# Altium PCB CT310高端控制盒基板电路V1.0.PcbDoc (part 3 of 8)
Units mil, origin at the board's own origin, x right, y up, seen from the top; angles counter-clockwise.
Board outline 8162.61 x 6196.81 mil, 2 copper layers (Top Layer, Bottom Layer), stack 65.792 mil thick; 265 components, 178 nets, 926 pads, 298 vias.
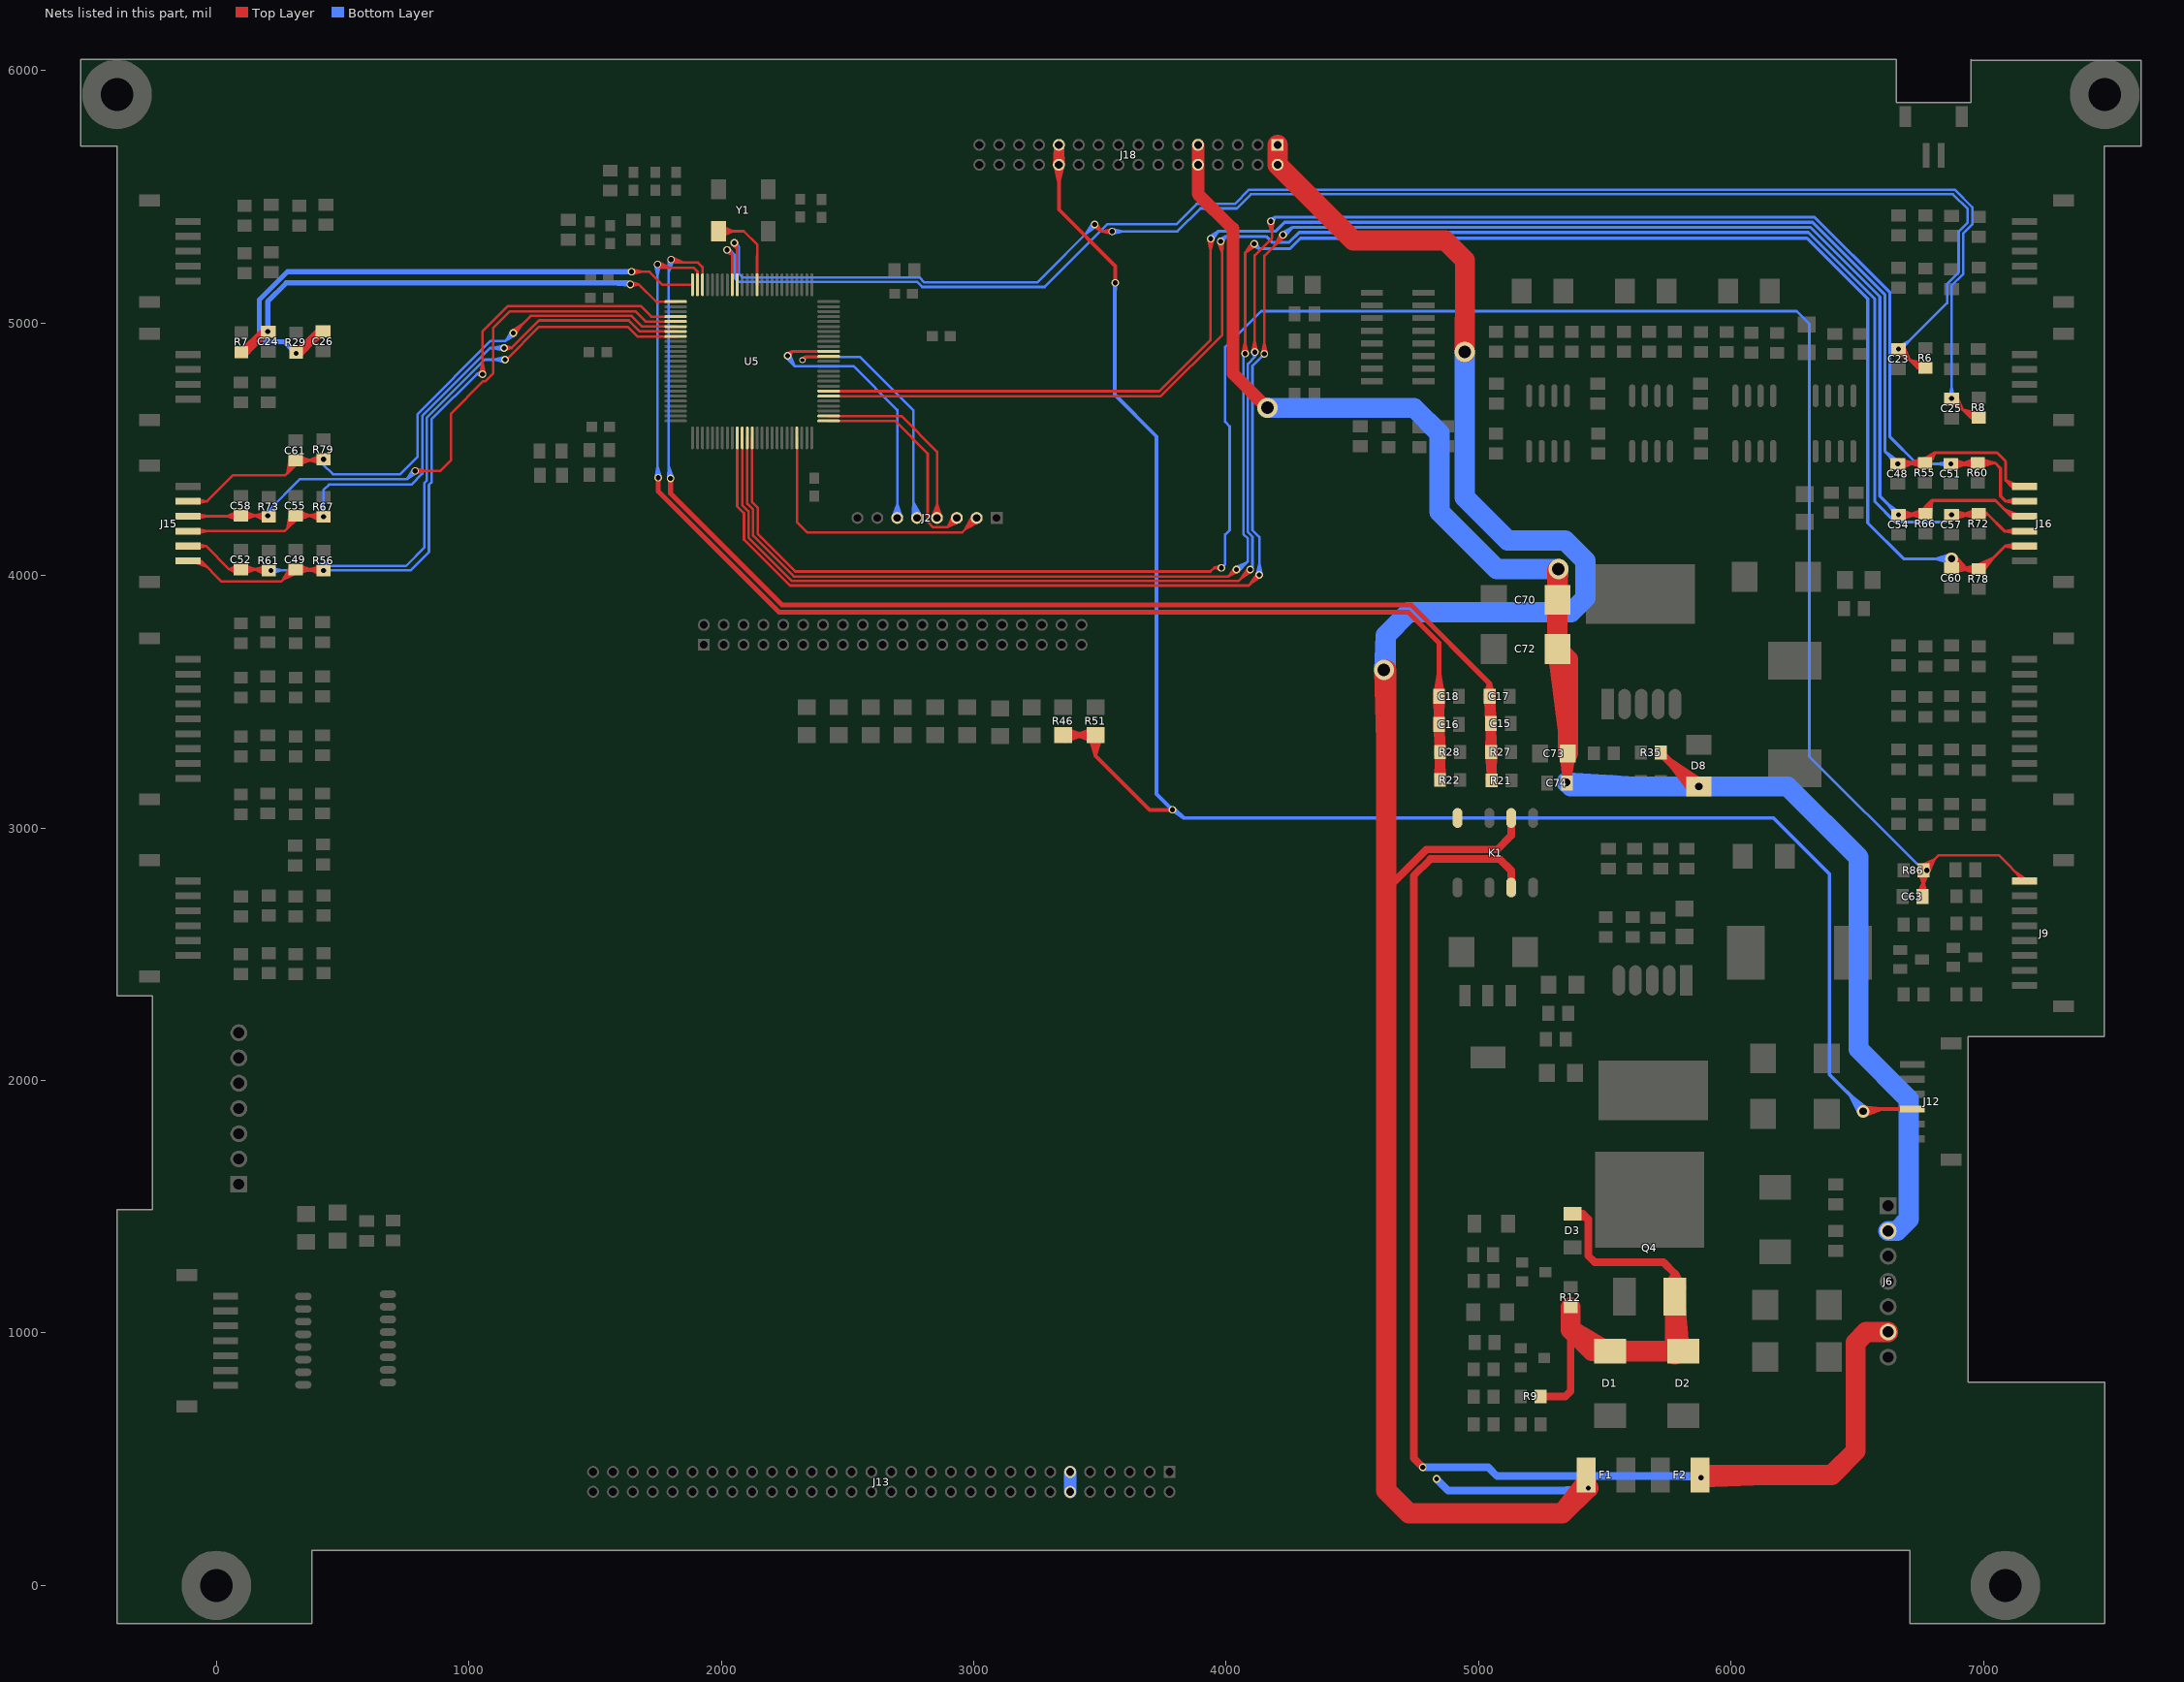
[diagram p3: the nets of this part, all layers, seen from the top]

## Via types
v1: diameter 30, hole 20, Top Layer to Bottom Layer, tented both sides, 226 vias
v2: diameter 60, hole 30, Top Layer to Bottom Layer, tented both sides, 32 vias
v3: diameter 50, hole 30, Top Layer to Bottom Layer, tented both sides, 20 vias
v4: diameter 80, hole 50, Top Layer to Bottom Layer, tented both sides, 10 vias
v5: diameter 50, hole 28, Top Layer to Bottom Layer, tented both sides, 8 vias
v6: diameter 30, hole 16, Top Layer to Bottom Layer, tented both sides, 1 vias
v7: diameter 24, hole 16, Top Layer to Bottom Layer, tented both sides, 1 vias

## Nets (pads, with @x,y where several pads share a name; then routed paths per layer and width w, separated by ;. In a path a pad name is that pad's centre, name@x,y a point inside that pad or via, vN(x,y) a via of type N, cw(c..) or ccw(c..) an arc to the next point about the centre after c; other vN are vias at no path point) (continued)
+7.2V_S: C70.1 C72.1 C73.1 C74.2 D8.2 J6.2 J18.9 J18.10 R35.1 | length 12030.7
  Top Layer w30: R35.1@5721.67,3294.36 5808.93,3211.03 ; R35.1@5721.67,3298.3 5855.34,3164.62 v3(5872.3,3164.62) ; 5768.56,3248 v3(5872.3,3164.62) ; 5775.01,3244.95 v3(5872.3,3164.62) ; 5776.87,3249.68 v3(5872.3,3164.62) ; 5777.49,3243.81 v3(5872.3,3164.62) ; D8.2@5862.45,3164.62 5757.78,3262.18 ; D8.2@5877.49,3183.8 5757.78,3262.18 ; v3(5348.3,3181.3) C73.1@5349.67,3291.55 ; v3(5348.3,3181.3) C73.1@5349.67,3291.55 ; v3(5348.3,3181.3) 5336.93,3290.68 C74.2@5349.67,3181.3 ; v3(5348.3,3181.3) C73.1@5353.41,3291.36 ; v3(5348.3,3181.3) 5336.93,3290.67 C74.2@5349.67,3184.2 ; v3(5348.3,3181.3) C73.1@5353.41,3291.36 ; v3(5348.3,3181.3) 5369.81,3289.56 C74.2@5349.67,3181.3 ; v3(5348.3,3181.3) 5369.81,3289.52 C74.2@5349.67,3184.2 ; C74.2@5349.67,3181.3 C73.1@5349.67,3291.55 ; C74.2@5349.67,3181.3 C73.1@5353.41,3291.36 ; C74.2@5349.67,3184.2 C73.1@5349.67,3291.55 ; C74.2@5349.67,3184.2 C73.1@5353.41,3291.36 ; 5757.78,3262.18 5844.38,3148.27 v3(5872.3,3164.62)
  Top Layer w50: J18.10@3888.4,5626.93 J18.9@3888.4,5705.67 J18.10@3888.4,5626.93 ; J18.10@3888.4,5626.93 3888.4,5510.6 4023,5376 4027,5376 4027,4800 ; 4027,4800 v4(4163,4664) 4027,4800
  Top Layer w80: C72.1@5311.98,3701.13 5353.41,3387.92 ; C73.1@5353.41,3295.3 5353.41,3667.57 C72.1@5311.98,3709 ; C73.1@5353.41,3299.23 5353.41,3570.73 ; C72.1@5311.98,3709 C70.1@5311.98,3903.3 ; C72.1@5311.98,3709 5311.98,3895.42 5311.98,3716.87 C70.1@5311.98,3903.3 ; C70.1@5311.98,3903.3 v4@5311.98,4021.98 ; C70.1@5311.98,3903.3 v4(5316,4026) ; v4@5311.98,4021.98 v4(5316,4026) ; v4@5311.98,4021.98 5311.98,3911.17 v4(5316,4026)
  Bottom Layer w80: v4(4163,4664) 4744,4664 4845,4563 4845,4252 5071,4026 ; 5607.3,3164.62 v3(5872.3,3164.62) ; 5622.9,3164.62 v3(5348.3,3181.3) 5364.97,3164.62 v3(5872.3,3164.62) ; 5071,4026 v4(5316,4026) 5071,4026 ; v3(5872.3,3164.62) 6223.41,3164.62 6505,2883.02 6505,2124.02 6703.46,1925.56 6703.46,1450.65 6656.81,1404 ; 6656.81,1404 J6.2@6622,1404 6656.81,1404
BAT1+: F1.1 J18.1 J18.2 K1.6 | length 10438.7
  Top Layer w30: 4634,2755.74 4793.26,2915 5074,2915 5128.99,2969.99 ; K1.6@5128.99,3020.11 5128.99,2969.99 ; K1.6@5128.99,3039.8 5128.99,2969.99
  Top Layer w80: v4(4625,3626) 4634,3345.09 ; v4@4634,3626 4634,2755.74 4634,375.55 4724.55,285 5331,285 ; 4946,5165.01 v4(4945,4885) 4946,4884 4946,5248 4867,5327 4503.29,5327 J18.2@4203.37,5626.93 ; F1.1@5426.55,380.55 5331,285 ; J18.2@4203.37,5626.93 J18.1@4203.37,5705.67 J18.2@4203.37,5626.93 ; 5331,285 5426.55,405.8 v1(5434,385) ; 5331,285 v1(5434,385) ; 5331,285 v1(5434,385)
  Bottom Layer w30: v1(4833,422) 4879,376 5425,376 v1(5434,385) 5324.38,376
  Bottom Layer w80: v4(4945,4885) 4945,4309 5115,4139 5342,4139 5423,4058 5423,3911 5366,3854 4723,3854 4632,3763 ; 4632,3763 4632,3633 v4(4625,3626) 4632,3763
BAT1_ADC: C15.1 C17.1 R21.2 R27.2 U5.23 | length 9670.8
  Top Layer w10: v1@1799.63,5241.09 1849.07,5239.3 ; v1@1804.34,5260.43 1849.07,5239.3 ; U5.23@1925.45,5151.44 1925.45,5222.14 ; U5.23@1925.45,5190.69 1925.45,5222.14 ; v1(1801,5251) 1805,5251 1816.7,5239.3 ; v1(1801,5251) 1816.7,5239.3 ; v1(1801,5251) 1849.07,5239.3 ; v1(1801,5251) 1816.7,5239.3 ; 1816.7,5239.3 1908.3,5239.3 1925.45,5222.14 ; 1816.7,5239.3 1808.82,5257.23 1816.7,5239.3 ; 1816.7,5239.3 1797.27,5241.72 1816.7,5239.3
  Top Layer w20: C17.1@5029.87,3529.26 5043.33,3572.26 ; C17.1@5029.92,3513.03 C15.1@5051.33,3430.57 ; C15.1@5034.72,3419.68 C17.1@5044.48,3503.28 ; C15.1@5034.79,3417.75 C17.1@5032.51,3503.05 ; C15.1@5034.81,3405.8 R27.2@5051.33,3323.65 ; C15.1@5034.81,3420.79 C17.1@5051.33,3502.9 ; C15.1@5034.92,3421.56 C17.1@5056.1,3502.68 ; R27.2@5035.72,3296.66 R21.2@5040.64,3210.85 ; R27.2@5035.73,3303.53 C15.1@5038.09,3389.49 ; R27.2@5035.75,3305.28 C15.1@5049.02,3388.38 ; R27.2@5035.79,3305.66 C15.1@5051.33,3387.91 ; R27.2@5035.99,3306.97 C15.1@5059.49,3387.52 ; R27.2@5036.06,3293.28 R21.2@5061.68,3212.99 ; R21.2@5037.76,3193.34 R27.2@5051.33,3275.85 ; C17.1@5043.33,3515.39 C15.1@5051.33,3430.57 ; C17.1@5043.33,3527.2 5043.33,3572.26 ; C15.1@5048.33,3407.39 R27.2@5051.33,3323.65 ; R21.2@5051.33,3188.3 5051.33,3513.3 C17.1@5043.33,3521.3 5043.33,3572.26 ; R21.2@5051.33,3192.23 R27.2@5051.33,3275.85 ; C17.1@5056.8,3529.26 5043.33,3572.26 ; C17.1@5056.96,3515.58 C15.1@5051.33,3430.57 ; C15.1@5061.48,3422.79 C17.1@5032.51,3503.05 ; C15.1@5061.85,3420.92 C17.1@5044.48,3503.28 ; C15.1@5061.94,3406.77 R27.2@5051.33,3323.65 ; C15.1@5061.94,3419.82 C17.1@5051.33,3502.9 ; C15.1@5061.96,3419.04 C17.1@5056.1,3502.68 ; R27.2@5062.66,3307.08 C15.1@5038.09,3389.49 ; R27.2@5062.73,3293.91 R21.2@5040.64,3210.85 ; R27.2@5062.93,3297.26 R21.2@5061.68,3212.99 ; R27.2@5062.95,3303.69 C15.1@5059.49,3387.52 ; R27.2@5062.93,3305.02 C15.1@5051.33,3387.91 ; R27.2@5062.91,3305.39 C15.1@5049.02,3388.38 ; R21.2@5064.91,3193.34 R27.2@5051.33,3275.85 ; 1799,4324.46 2240.46,3883 4732.6,3883 5043.33,3572.26 ; 1799,4324.46 v1(1799,4385) 1799,4324.46 ; C17.1@5032.51,3503.05 C15.1@5048.33,3419.2 ; C15.1@5038.09,3389.49 R27.2@5049.33,3304.23 ; R21.2@5040.64,3210.85 R27.2@5049.33,3296.36 ; C17.1@5044.48,3503.28 C15.1@5048.33,3419.2 ; C15.1@5048.33,3419.2 C17.1@5056.1,3502.68 ; C15.1@5048.33,3419.2 C17.1@5051.33,3502.9 ; C15.1@5049.02,3388.38 R27.2@5049.33,3304.23 ; R27.2@5049.33,3296.36 R21.2@5061.68,3212.99 ; R27.2@5049.33,3296.36 R21.2@5051.33,3212.4 ; R27.2@5049.33,3296.36 R21.2@5051.33,3212.7 ; R27.2@5049.33,3304.23 C15.1@5051.33,3387.91 ; R27.2@5049.33,3304.23 C15.1@5059.49,3387.52 ; R21.2@5051.33,3212.4 5062.93,3295.58 R21.2@5051.33,3212.7 ; R21.2@5051.33,3212.4 5035.79,3294.93 R21.2@5051.33,3212.7
  Bottom Layer w10: v1@1789.01,4384.59 1792,4433.13 ; v1@1791.03,5251.8 1792,5201.31 ; v1(1799,4385) 1792,4433.13 ; v1@1801,4385 1792,4394 1792,5242 v1(1801,5251) 1792,5201.31 ; v1@1808.7,4387.45 1792,4433.13 ; v1@1810.61,5248.25 1792,5201.31
BAT2+: F2.1 J6.6 K1.3 | length 6151.2
  Top Layer w30: v1(4779,468) 4742.63,504.37 4742.63,2810.63 4809,2877 5083,2877 5128.99,2831.01 ; K1.3@5128.99,2764.2 5128.99,2831.01 ; K1.3@5128.99,2783.89 5128.99,2831.01
  Top Layer w80: F2.1@5877.03,437.3 6154.44,437.3 ; F2.1@5881,437.3 6398.3,437.3 6493,532 6493,962 6535,1004 J6.6@6622,1004 ; 6138.35,437.3 v1(5881,427) 6139.03,437.3
  Bottom Layer w30: v1(4779,468) 5038,468 5073,433 5875,433 v1(5881,427) 5774.24,433
BAT2_ADC: C16.1 C18.1 R22.2 R28.2 U5.24 | length 9443.5
  Top Layer w10: v1@1745.28,5222.15 1796.39,5218.3 ; v1@1746,5232 v1(1747,5232) 1796.39,5218.3 ; v1@1746.5,5231.5 1759.7,5218.3 1891.3,5218.3 1905.76,5203.83 ; v1@1750.6,5241.33 1796.39,5218.3 ; U5.24@1905.76,5151.44 1905.76,5203.83 ; U5.24@1905.76,5190.69 1905.76,5203.83
  Top Layer w20: v1(1750,4387) 1750,4333.86 2228.86,3855 4721,3855 4843.33,3732.67 C18.1@4843.33,3521.3 4847.27,3517.36 R28.2@4847.27,3301.28 R22.2@4847.27,3190.3 ; C16.1@4829.71,3404.51 R28.2@4835.83,3319.31 ; C18.1@4829.73,3516.04 C16.1@4832.43,3430.21 ; C18.1@4829.77,3514.18 C16.1@4844.03,3430.95 ; C18.1@4829.76,3528.31 4843.33,3610.82 ; C16.1@4829.82,3417.95 C18.1@4847.27,3499.97 ; C18.1@4829.82,3513.65 C16.1@4847.27,3431.54 ; C18.1@4830.05,3512.39 C16.1@4855.14,3432.22 ; C16.1@4830.17,3400.89 R28.2@4858.33,3321.62 ; R22.2@4833.66,3193.62 R28.2@4836.65,3278.29 ; R28.2@4833.69,3296.24 R22.2@4847.27,3213.73 ; R28.2@4833.69,3306.33 C16.1@4847.27,3388.84 ; R22.2@4833.94,3197.02 R28.2@4857.9,3278.29 ; C16.1@4843.33,3416.21 C18.1@4847.27,3499.97 ; C18.1@4843.33,3527.2 4843.33,3610.82 ; R28.2@4847.27,3297.35 R22.2@4847.27,3213.73 ; R28.2@4847.27,3305.22 C16.1@4847.27,3388.84 ; C18.1@4856.67,3512.59 C16.1@4832.43,3430.21 ; C16.1@4856.77,3402.13 R28.2@4835.83,3319.31 ; C16.1@4856.89,3405.74 R28.2@4858.33,3321.62 ; C16.1@4856.95,3416.68 C18.1@4847.27,3499.97 ; C18.1@4856.92,3514.4 C16.1@4844.03,3430.95 ; C18.1@4856.95,3514.92 C16.1@4847.27,3431.54 ; C18.1@4856.93,3516.2 C16.1@4855.14,3432.22 ; C18.1@4856.91,3528.31 4843.33,3610.82 ; R22.2@4860.61,3197.02 R28.2@4836.65,3278.29 ; R28.2@4860.85,3296.24 R22.2@4847.27,3213.73 ; R28.2@4860.85,3306.33 C16.1@4847.27,3388.84 ; R22.2@4860.88,3193.62 R28.2@4857.9,3278.29 ; C16.1@4832.43,3430.21 C18.1@4843.33,3515.39 ; R28.2@4835.83,3319.31 C16.1@4843.33,3404.4 ; R28.2@4836.65,3278.29 R22.2@4847.27,3194.23 ; C16.1@4843.33,3404.4 R28.2@4858.33,3321.62 ; C16.1@4843.33,3404.4 R28.2@4847.27,3320.3 ; C16.1@4843.33,3404.4 R28.2@4847.27,3320.64 ; C18.1@4843.33,3515.39 C16.1@4855.14,3432.22 ; C18.1@4843.33,3515.39 C16.1@4844.03,3430.95 ; C18.1@4843.33,3515.39 C16.1@4847.27,3431.54 ; R22.2@4847.27,3194.23 R28.2@4847.27,3277.85 ; R22.2@4847.27,3194.23 R28.2@4857.9,3278.29 ; R22.2@4847.27,3194.23 R28.2@4847.27,3277.85 ; R28.2@4847.27,3277.85 4833.69,3195.34 R28.2@4847.27,3277.85 ; R28.2@4847.27,3277.85 4860.85,3195.34 R28.2@4847.27,3277.85 ; R28.2@4847.27,3320.3 4856.95,3403.93 R28.2@4847.27,3320.64 ; R28.2@4847.27,3320.3 4829.82,3402.66 R28.2@4847.27,3320.64
  Bottom Layer w10: v1@1737.06,5230.89 1747,5187 v1@1756.94,5230.89 ; v1@1740.01,4387.44 1747,4432.29 ; v1@1747,4387 v1(1747,5232) ; v1(1750,4387) 1747,4432.29 ; v1@1759.84,4388.76 1747,4432.29
BAT_IN: D1.2 D2.2 D3.2 Q4.3 R9.2 R12.1 | length 3830.8
  Top Layer w30: R9.2@5245.67,748.3 5343.3,748.3 5364.41,769.41 5364.41,1012.4 ; D3.2@5371.3,1472.22 5412.78,1472.22 ; Q4.3@5747.57,1180.53 5777.3,1235.3 ; Q4.3@5777.3,1143.65 5777.3,1235.3 ; Q4.3@5777.3,1172.98 5777.3,1235.3 ; Q4.3@5807.02,1180.53 5777.3,1235.3 ; D3.2@5379.17,1472.22 5434,1451 ; D3.2@5379.17,1472.22 5412.78,1472.22 ; D3.2@5379.17,1472.22 5412.78,1472.22 ; 5412.78,1472.22 5434,1451 ; 5434,1451 5434,1306 5459.7,1280.3 5732.3,1280.3 5777.3,1235.3
  Top Layer w80: D1.2@5520.29,928.25 5448.56,928.25 ; 5364.41,1012.4 R12.1@5364.41,1101.99 5364.41,1012.4 ; 5364.41,1012.4 5448.56,928.25 ; 5364.41,1012.4 D1.2@5506.51,928.25 ; 5448.56,928.25 D1.2@5506.51,928.25 ; 5448.56,928.25 D1.2@5506.51,928.25 ; D2.2@5796.52,928.25 5777.3,1114.32 5777.3,915.25 Q4.3@5777.3,1143.65 D2.2@5796.52,928.25 ; D2.2@5796.52,928.25 5552.29,927.25 5782.3,927.25 5534.07,928.25 D2.2@5796.52,928.25
CLOCK: U5.12 Y1.3 | length 608.9
  Top Layer w10: Y1.3@1988.87,5363.62 2088.98,5363.62 2143,5309.6 2143,5265.4 2141.98,5264.38 U5.12@2141.98,5151.44 ; Y1.3@1990.64,5349.2 2048.4,5363.62 ; Y1.3@1990.64,5378.04 2048.4,5363.62 ; Y1.3@1993.92,5339.62 2048.4,5363.62 ; Y1.3@1993.92,5387.62 2048.4,5363.62 ; U5.12@2141.98,5190.69 2141.98,5226.44
CVBS: J12.4 J18.23 J18.24 R46.2 R51.2 | length 10038.4
  Top Layer w15: J18.24@3321.16,5625.56 J18.23@3323.37,5694.78 ; J18.24@3321.21,5625.03 3337.22,5558.3 J18.24@3353.23,5625.03 ; J18.24@3321.21,5628.82 3337.22,5695.55 J18.24@3353.23,5628.82 ; J18.23@3321.21,5703.77 3337.22,5637.04 J18.23@3353.23,5703.77 ; J18.24@3321.91,5631.97 J18.23@3351.08,5694.78 ; J18.23@3337.22,5705.67 J18.24@3337.22,5626.93 ; J18.24@3352.54,5631.97 J18.23@3323.37,5694.78 ; J18.24@3353.29,5625.56 J18.23@3351.08,5694.78 ; R46.2@3354.92,3367.88 R51.2@3482,3367.88 3482,3285.88 3696.88,3071 3786,3071 v1(3787,3072) 3726.98,3071 ; R46.2@3358.86,3367.88 3435.35,3367.88 ; R46.2@3359.39,3358.9 3435.35,3367.88 ; R46.2@3359.39,3376.86 3435.35,3367.88 ; R46.2@3362.62,3344.18 3435.35,3367.88 ; R46.2@3362.62,3391.58 3435.35,3367.88 ; R51.2@3458.3,3364.12 3482,3291.39 ; R51.2@3473.02,3367.35 3482,3291.39 ; R51.2@3474.3,3344.18 3401.57,3367.88 ; R51.2@3474.3,3391.58 3401.57,3367.88 ; R51.2@3477.53,3358.9 3401.57,3367.88 ; R51.2@3477.53,3376.86 3401.57,3367.88 ; R51.2@3478.06,3367.88 3401.57,3367.88 ; R51.2@3490.98,3367.35 3482,3291.39 ; R51.2@3505.7,3364.12 3482,3291.39 ; v1(3561,5159) 3561,5219 ; v1@3561,5163.87 3561,5225.27 3337.22,5449.04 J18.24@3337.22,5626.93 ; v3@6523.07,1895.5 6594.57,1886.47 ; v3@6527.15,1861 6594.57,1886.47 ; 6623.02,1886.47 J12.4@6681.8,1886.47 ; J12.4@6717.23,1886.47 6531.47,1886.47 v3(6523,1878) 6594.57,1886.47 ; J18.23@3323.37,5694.78 J18.24@3337.22,5626.93 ; J18.24@3337.22,5626.93 J18.23@3351.08,5694.78
  Bottom Layer w15: 3558.5,5098.79 v1(3561,5159) ; v1@3560,5159 3558.5,5157.5 3558.5,4716.5 3724.5,4550.5 3724.5,3134.5 v1(3787,3072) ; 3740.18,3118.82 v1(3787,3072) ; v1@3788,3076 3795.94,3076 3832.44,3039.5 ; v3@6508.27,1868.55 6472.54,1940.46 ; v3@6535.33,1890.42 6472.54,1940.46 ; v1(3787,3072) 3832.44,3039.5 ; 3832.44,3039.5 6168.44,3039.5 6389.5,2818.44 6389.5,2023.5 6523,1890 v3(6523,1878) 6472.54,1940.46
DC33V: J13.11 J13.12 | length 78.7
  Bottom Layer w50: J13.12@3381.96,370.69 J13.11@3381.96,449.43
GND_P: K1.8
JNRST: J2.6 U5.90 | length 1580.4
  Top Layer w10: v1@2257.49,4878.34 2280.66,4887.66 ; v1(2263,4870) 2280.66,4887.66 ; v1@2271.34,4864.49 2280.66,4887.66 ; 2350.44,4887.66 U5.90@2386.19,4887.66 ; U5.90@2425.44,4887.66 2280.66,4887.66
  Bottom Layer w10: v1@2255.36,4863.55 2291.65,4828.35 ; v1@2271.76,4874.82 2291.65,4828.35 ; J2.6@2678.55,4231.23 2696.89,4281.62 ; J2.6@2688.3,4228.69 2696.89,4281.62 ; J2.6@2696.89,4228 2696.89,4656.11 2524,4829 2332.36,4829 2331.65,4828.3 2291.7,4828.3 2263,4857 v1(2263,4870) 2291.65,4828.35 ; J2.6@2705.48,4228.69 2696.89,4281.62 ; J2.6@2715.23,4231.23 2696.89,4281.62
JOYSTICK_LEFTX: C23.1 R6.1 U5.16 | length 8616.4
  Top Layer w10: v1@2043.75,5312.35 2063.24,5292.76 ; v1@2061.72,5320.35 2063.24,5292.76 ; U5.16@2063.24,5151.44 2063.24,5292.76 ; U5.16@2063.24,5190.69 2063.24,5226.44 ; v1@3472.92,5382.06 3506,5363 ; v1(3479,5390) 3506,5363 ; v1@3486.94,5396.08 3506,5363 ; v1@3546.81,5353.07 3506,5363 ; v1@3546.81,5372.93 3506,5363 ; C23.1@6656.59,4889.3 6700.26,4856.62 ; C23.1@6656.81,4889.11 6699.19,4859.58 ; C23.1@6656.95,4889 6699.51,4860.51 C23.1@6671.02,4903.07 ; C23.1@6657.07,4888.9 6700.37,4860.83 ; C23.1@6657.18,4888.82 6703.23,4859.55 ; C23.1@6657.23,4882.46 6708.13,4851.89 ; C23.1@6663.12,4890.62 6708.13,4851.89 ; C23.1@6669.2,4896.73 6708.13,4851.89 ; C23.1@6670.75,4903.39 6703.23,4859.55 ; C23.1@6670.92,4903.2 6700.37,4860.83 ; C23.1@6671.13,4902.95 6699.19,4859.58 ; C23.1@6671.24,4902.8 6700.26,4856.62 ; C23.1@6676.1,4901.89 6708.13,4851.89 ; C23.1@6685,4906.58 6708.13,4851.89 ; R6.1@6755.47,4806.8 6706.69,4853.33 ; R6.1@6761.84,4814.57 6706.69,4853.33 ; R6.1@6769.86,4829.79 6706.69,4853.33 ; R6.1@6770.28,4821.92 6738.1,4821.92 ; R6.1@6772.66,4839.44 6706.69,4853.33 ; 2063.24,5292.76 2052,5304 v1(2052,5318) 2063.24,5292.76 ; 3506,5363 v1(3548,5363) 3506,5363 ; v1(6663.3,4896.73) 6738.1,4821.92 ; v1(6663.3,4896.73) 6703.23,4859.55 ; v1(6663.3,4896.73) 6700.37,4860.83 ; v1(6663.3,4896.73) 6700.26,4856.62 ; v1(6663.3,4896.73) 6699.19,4859.58 ; 6706.69,4853.33 R6.1@6766.34,4821.92 ; 6738.1,4821.92 6760.2,4804.34 6738.1,4821.92 ; 6738.1,4821.92 6760.2,4839.5 6738.1,4821.92 ; 6738.1,4821.92 6765.02,4813.4 6738.1,4821.92 ; 6738.1,4821.92 6765.02,4830.45 6738.1,4821.92 ; 6738.1,4821.92 R6.1@6766.34,4821.92 ; 6738.1,4821.92 R6.1@6766.34,4821.92
  Bottom Layer w10: v1@2046.46,5309.68 2070,5300 ; v1(2052,5318) 2070,5300 ; v1@2060.32,5323.54 2070,5300 ; v1@3471.19,5396.24 3443.31,5353.31 ; v1@3485.45,5382.36 3443.31,5353.31 ; v1(3548,5363) 3807,5363 3898,5454 4042.11,5454 4098.11,5510 6878.49,5510 6937.32,5451.18 6937.32,5398.16 6901.32,5362.16 6901.32,5201.07 6855.32,5155.07 6855.32,5078.79 6673.25,4896.73 v1(6663.3,4896.73) 6705.14,4928.61 ; v1@3549.11,5353.06 3593,5363 v1@3549.11,5372.94 ; v1@6658.02,4905.22 6705.14,4928.61 ; v1@6670.09,4889.39 6705.14,4928.61 ; 2070,5300 2070,5194 2083.71,5180.29 2784.14,5180.29 2803.44,5161 3251,5161 3479,5389 v1(3479,5390) 3443.31,5353.31
JOYSTICK_LEFTY: C25.1 R8.1 U5.17 | length 8257.1
  Top Layer w10: v1@2017.25,5281.82 2043.56,5269.44 ; v1(2023,5290) 2043.56,5269.44 ; v1@2031.18,5295.75 2043.56,5269.44 ; U5.17@2043.56,5151.44 2043.56,5269.44 ; U5.17@2043.56,5190.69 2043.56,5226.44 ; C25.1@6866.61,4693.31 6910.28,4660.62 ; C25.1@6866.83,4693.12 6909.21,4663.58 ; C25.1@6866.97,4693 6909.53,4664.52 C25.1@6881.04,4707.08 ; C25.1@6867.09,4692.9 6910.39,4664.83 ; C25.1@6867.25,4686.47 6918.15,4655.89 ; C25.1@6867.2,4692.82 6913.25,4663.55 ; C25.1@6873.14,4694.62 6918.15,4655.89 ; C25.1@6879.22,4700.73 6918.15,4655.89 ; C25.1@6880.77,4707.39 6913.25,4663.55 ; C25.1@6880.94,4707.2 6910.39,4664.83 ; C25.1@6881.15,4706.95 6909.21,4663.58 ; C25.1@6881.26,4706.8 6910.28,4660.62 ; C25.1@6886.12,4705.89 6918.15,4655.89 ; C25.1@6895.02,4710.58 6918.15,4655.89 ; R8.1@6965.49,4610.8 6916.71,4657.33 ; R8.1@6971.86,4618.57 6916.71,4657.33 ; R8.1@6979.88,4633.8 6916.71,4657.33 ; R8.1@6980.3,4625.93 6948.12,4625.93 ; R8.1@6982.68,4643.44 6916.71,4657.33 ; v1(6873.32,4700.73) 6948.12,4625.93 ; v1(6873.32,4700.73) 6910.28,4660.62 ; v1(6873.32,4700.73) 6913.25,4663.55 ; v1(6873.32,4700.73) 6909.21,4663.58 ; v1(6873.32,4700.73) 6910.39,4664.83 ; 6916.71,4657.33 R8.1@6976.36,4625.93 ; 6948.12,4625.93 6970.22,4608.34 6948.12,4625.93 ; 6948.12,4625.93 6970.22,4643.51 6948.12,4625.93 ; 6948.12,4625.93 6975.04,4617.4 6948.12,4625.93 ; 6948.12,4625.93 6975.04,4634.45 6948.12,4625.93 ; 6948.12,4625.93 R8.1@6976.36,4625.93 ; 6948.12,4625.93 R8.1@6976.36,4625.93
  Bottom Layer w10: v1@2018.55,5281.05 2052,5270 ; v1@2029.79,5297.34 2052,5270 ; v1@6863.38,4701.84 6873.32,4745.73 v1@6883.25,4701.84 ; v1(6873.32,4700.73) 6873.32,5147.61 6919.32,5193.61 6919.32,5354.7 6955.32,5390.7 6955.32,5458.63 6885.95,5528 4090.65,5528 4034.65,5472 3883,5472 3802,5391 3528.6,5391 3280.6,5143 2795.98,5143 2776.69,5162.29 2068.71,5162.29 2052,5179 2052,5270 ; 2052,5270 2032,5290 v1(2023,5290) 2052,5270
JOYSTICK_RIGHTX: C24.1 R7.1 U5.26 | length 3548.1
  Top Layer w10: v1(1640,5153) 1673,5153 ; v1@1641.52,5143.12 1673,5153 ; v1@1641.52,5162.88 1673,5153 ; 1744.15,5084.51 U5.26@1779.9,5084.51 ; U5.26@1819.15,5084.51 1741.49,5084.51 1673,5153
  Top Layer w20: R7.1@96.02,4896.48 C24.1@182.19,4942.21 ; R7.1@99.29,4884.93 124.91,4884.93 C24.1@205.65,4965.67 ; R7.1@103.23,4884.93 C24.1@182.19,4942.21 ; R7.1@111.98,4874.48 C24.1@182.19,4942.21 ; 132.73,4920.38 v1(203.33,4965.67) ; 137.02,4918.02 v1(203.33,4965.67) ; 137.12,4913.26 v1(203.33,4965.67) ; 138.43,4921.92 v1(203.33,4965.67) ; 141.09,4911.44 v1(203.33,4965.67) ; 141.89,4914.96 v1(203.33,4965.67) ; 147.25,4907.27 v1(203.33,4965.67) ; C24.1@190.05,4975.24 128.71,4903.41 ; C24.1@191.06,4976.16 122.34,4910.45 ; C24.1@206.84,4954.04 122.34,4910.45 ; C24.1@207.96,4954.8 128.71,4903.41 ; 122.34,4910.45 199.74,4965.67 128.71,4903.41
  Bottom Layer w20: v1(203.33,4965.67) 203.33,5085.33 277,5159 1634,5159 v1(1640,5153) 1563.22,5159
JOYSTICK_RIGHTY: C26.1 R29.1 U5.25 | length 3878.1
  Top Layer w10: v1(1645,5203) 1716,5203 1767.56,5151.44 U5.25@1886.08,5151.44 1850.33,5151.44 ; v1@1646.11,5193.06 1690,5203 v1@1646.11,5212.94
  Top Layer w20: R29.1@312.44,4894.34 396.72,4941.09 ; R29.1@319.88,4882.93 396.72,4941.09 ; R29.1@328.85,4872.67 396.72,4941.09 ; 378.78,4927.51 v1(315.94,4879.94) ; 381.3,4932.54 v1(315.94,4879.94) ; 384.2,4928.57 v1(315.94,4879.94) ; 384.3,4928.57 v1(315.94,4879.94) ; C26.1@406.5,4976.03 347.58,4903.9 ; C26.1@407.39,4976.89 343.28,4911.44 ; C26.1@422.3,4966.67 R29.1@338.55,4882.93 ; C26.1@423.77,4955.22 343.28,4911.44 ; C26.1@424.81,4955.96 347.58,4903.9 ; v1(315.94,4879.94) R29.1@315.94,4882.93 R29.1@338.55,4882.93 ; v1(315.94,4879.94) R29.1@338.55,4882.93 ; v1(315.94,4879.94) R29.1@338.55,4882.93 ; 343.28,4911.44 C26.1@416.39,4966.67 ; 347.58,4903.9 C26.1@416.39,4966.67 ; 396.72,4941.09 C26.1@425.19,4956.27 ; 396.72,4941.09 C26.1@404.08,4972.5 ; 396.72,4941.09 C26.1@416.39,4966.67 ; 396.72,4941.09 C26.1@425.19,4956.27 ; 396.72,4941.09 C26.1@404.08,4972.5 ; 396.72,4941.09 C26.1@416.39,4966.67 ; 396.72,4941.09 C26.1@425.19,4956.27 ; 396.72,4941.09 C26.1@404.08,4972.5 ; 396.72,4941.09 C26.1@416.39,4966.67